# Allegro board HY_SW3518S_V11.brd
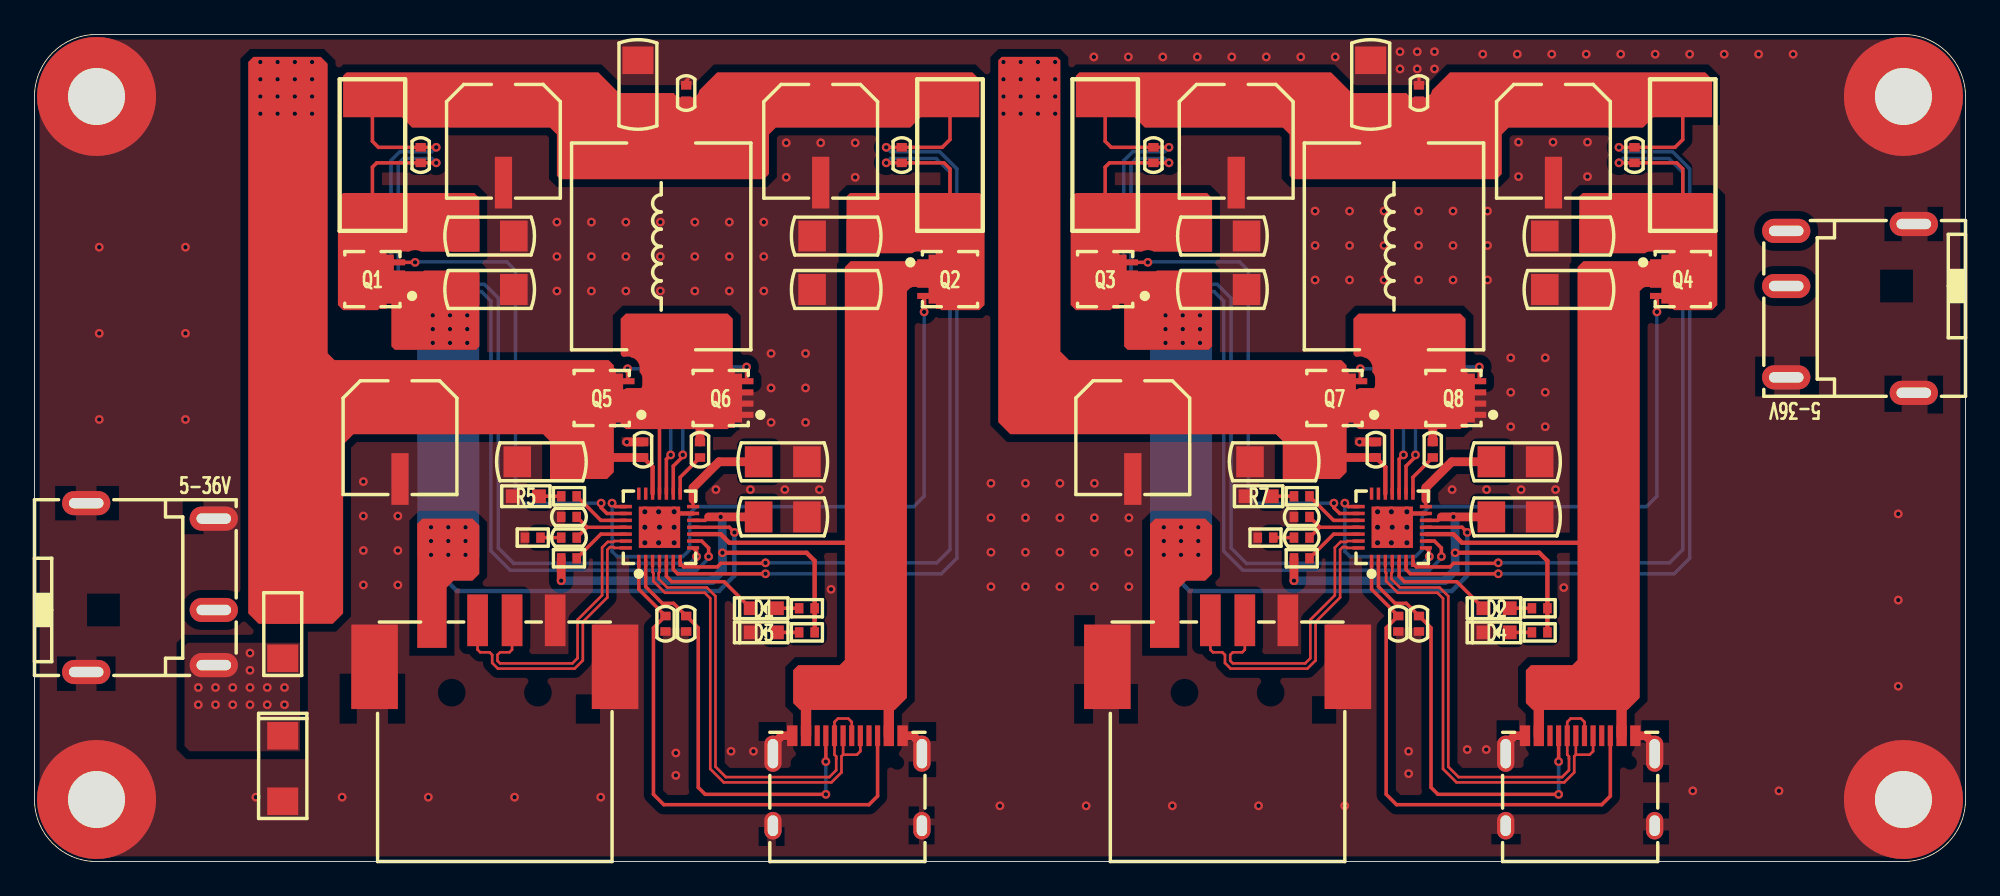
[diagram p0: board, top side]
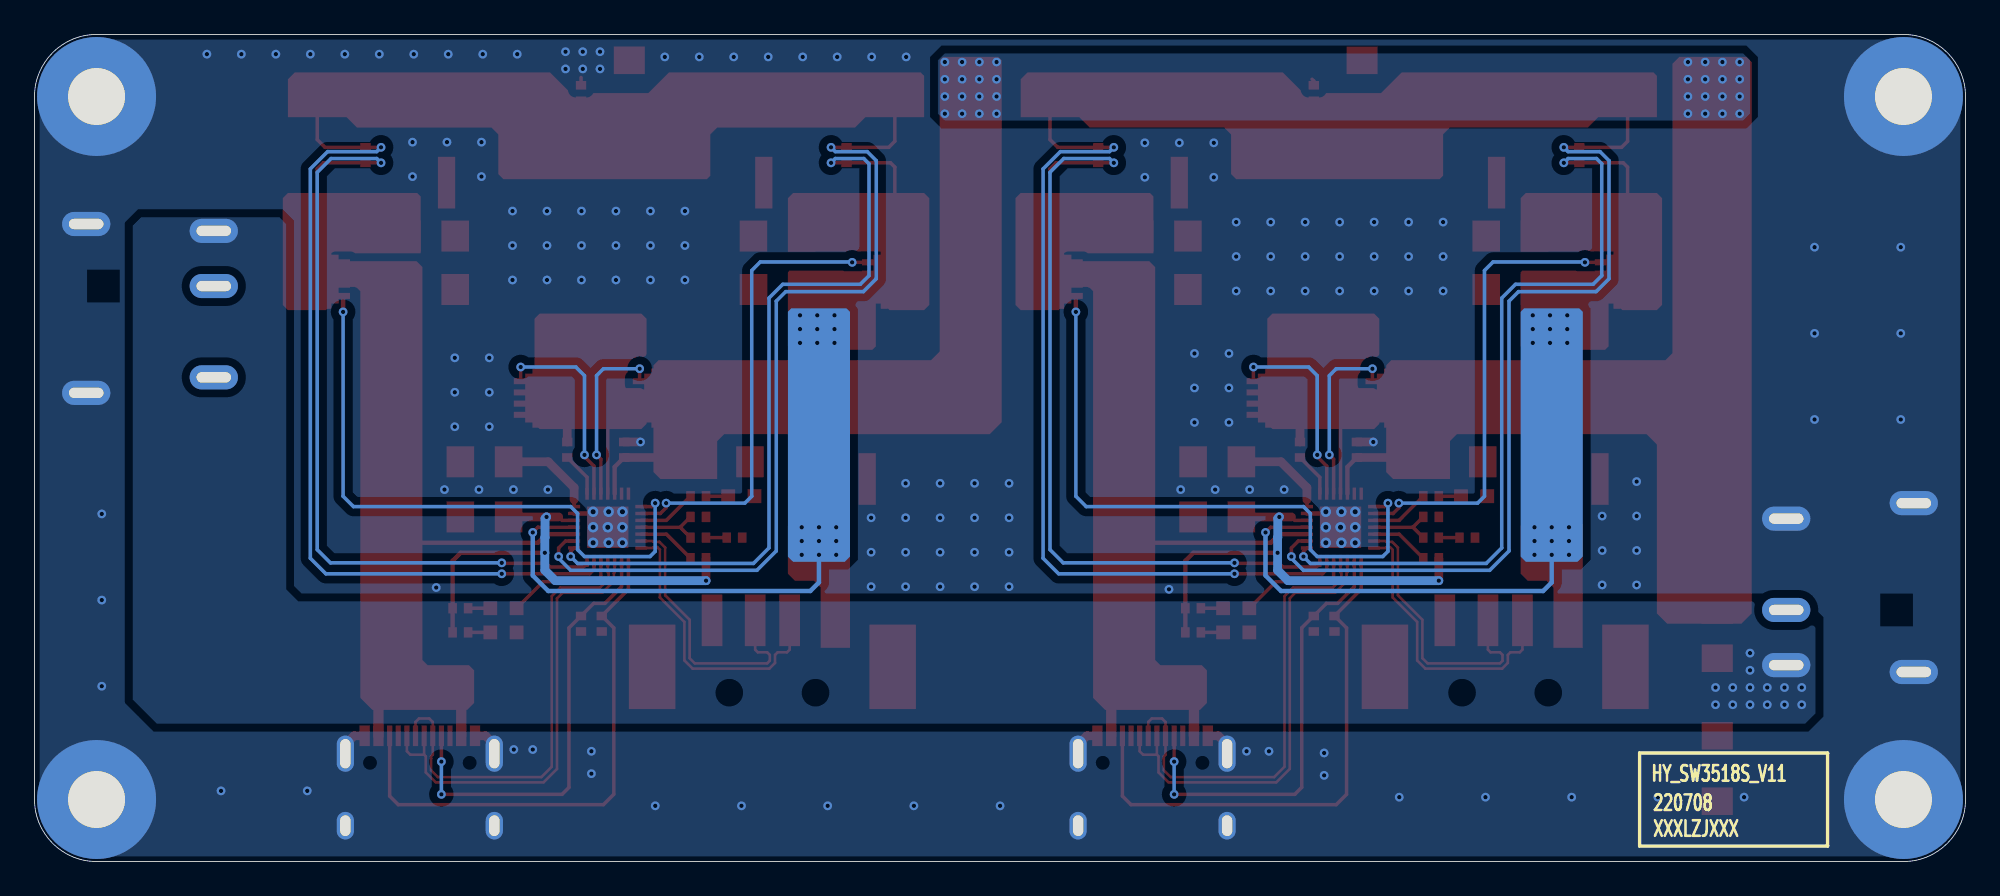
[diagram p1: board, bottom side, seen from below]

Outline 112 x 48 mm; copper layers: TOP, BOTTOM. Coordinates in mm from the lower left corner of the outline.
Outline path: 0,44.4 arc(1.05,46.95) 3.6,48 108.4,48 arc(110.95,46.95) 112,44.4 112,3.6 arc(110.95,1.05) 108.4,0 3.6,0 arc(1.05,1.05) 0,3.6 0,44.4

## Design rules (mm)
constraint set DEFAULT: min track width 0.152, pair gap 0.203
net group DP1: nets 1_DMC 1_DPC
net group DP2: nets 1_DMA 1_DPA

## Placement (name value [footprint] x y rotation side)
C1  10uF_50V  [C1206]  35 45.1 270 top
C2  10uF_50V  [C1206]  77.5 45.1 270 top
C3  100nF_50V  [C0402]  37.8 44.6 270 top
C4  100nF_50V  [C0402]  80.3 44.6 270 top
C5  100uF_25V  [CAP-SMD-6R3X5R8]  27.2 41.8 180 top
C6  100uF_25V  [CAP-SMD-6R3X5R8]  45.6 41.8 180 top
C7  100uF_25V  [CAP-SMD-6R3X5R8]  69.7 41.8 180 top
C8  100uF_25V  [CAP-SMD-6R3X5R8]  88.1 41.8 180 top
C9  100nF_50V  [C0402]  22.4 41 270 top
C10  100nF_50V  [C0402]  50.3 41 270 top
C11  100nF_50V  [C0402]  64.9 41 270 top
C12  100nF_50V  [C0402]  92.8 41 270 top
C13  10uF_50V  [C1206]  26.4 36.3 180 top
C14  10uF_50V  [C1206]  46.5 36.3 0 top
C15  10uF_50V  [C1206]  68.9 36.3 180 top
C16  10uF_50V  [C1206]  89 36.3 0 top
C17  10uF_50V  [C1206]  26.4 33.2 180 top
C18  10uF_50V  [C1206]  46.5 33.2 0 top
C19  10uF_50V  [C1206]  68.9 33.2 180 top
C20  10uF_50V  [C1206]  89 33.2 0 top
C21  100uF_35V  [CAP-SMD-6R3X5R8]  21.2 24.6 180 top
C22  100uF_35V  [CAP-SMD-6R3X5R8]  63.7 24.6 180 top
C23  100nF_50V  [C0402]  35.3 23.9 90 top
C24  100nF_50V  [C0402]  38.6 23.9 90 top
C25  100nF_50V  [C0402]  77.8 23.9 90 top
C26  100nF_50V  [C0402]  81.1 23.9 90 top
C27  10uF_50V  [C1206]  29.4 23.2 180 top
C28  10uF_50V  [C1206]  43.4 23.2 180 top
C29  10uF_50V  [C1206]  71.9 23.2 180 top
C30  10uF_50V  [C1206]  85.9 23.2 180 top
C31  100pF_50V  [C0402]  31 20 0 top
C32  10uF_50V  [C1206]  43.4 20 180 top
C33  100pF_50V  [C0402]  73.5 20 0 top
C34  10uF_50V  [C1206]  85.9 20 180 top
C35  2.2nF_50V  [C0402]  31 18.8 0 top
C36  2.2nF_50V  [C0402]  73.5 18.8 0 top
C37  330pF_50V  [C0402]  36.6 13.8 90 top
C38  330pF_50V  [C0402]  37.8 13.8 90 top
C39  330pF_50V  [C0402]  79.1 13.8 90 top
C40  330pF_50V  [C0402]  80.3 13.8 90 top
D1  LED_GREEN  [LED0603]  42.3 14.7 180 top
D2  LED_GREEN  [LED0603]  84.8 14.7 180 top
D3  LED_GREEN  [LED0603]  42.3 13.3 180 top
D4  LED_GREEN  [LED0603]  84.8 13.3 180 top
D5  SS56F  [SMAF]  14.4 5.4 90 top
F1  0469005.WR  [FUSE1206]  14.4 13.2 90 top
J1  DC-044B-5A-2.0  [DC-044B-5A-2R0]  108 33.4 180 top
J2  DC-044B-5A-2.0  [DC-044B-5A-2R0]  4 14.6 0 top
L1  FXL1040-220-M  [L10040]  36.35 35.7 90 top
L2  FXL1040-220-M  [L10040]  78.85 35.7 90 top
MH1  HOLE-M3/NI  [HOLE6R90X3R40]  3.6 44.4 0 top
MH2  HOLE-M3/NI  [HOLE6R90X3R40]  108.4 44.4 0 top
MH3  HOLE-M3/NI  [HOLE6R90X3R40]  3.6 3.6 0 top
MH4  HOLE-M3/NI  [HOLE6R90X3R40]  108.4 3.6 0 top
NOREF  -  []  0 0 90 top
NOREF#2  -  []  0 0 0 top
NOREF#3  -  []  0 0 0 top
NOREF#4  -  []  0 0 0 top
NOREF#5  -  []  0 0 90 top
NOREF#6  -  []  0 0 90 top
Q1  WSD4070DN  [DFN3X3]  19.6 33.8 90 top
Q2  WSD4070DN  [DFN3X3]  53.1 33.8 270 top
Q3  WSD4070DN  [DFN3X3]  62.1 33.8 90 top
Q4  WSD4070DN  [DFN3X3]  95.6 33.8 270 top
Q5  WSD4070DN  [DFN3X3]  32.9 26.9 90 top
Q6  WSD4070DN  [DFN3X3]  39.8 26.9 90 top
Q7  WSD4070DN  [DFN3X3]  75.4 26.9 90 top
Q8  WSD4070DN  [DFN3X3]  82.3 26.9 90 top
R1  0R005  [R2512]  19.6 41 90 top
R2  0R005  [R2512]  53.1 41 90 top
R3  0R005  [R2512]  62.1 41 90 top
R4  0R005  [R2512]  95.6 41 90 top
R5  NTCG163JF103FT1S  [R0603]  28.5 21.2 180 top
R6  2K  [R0402]  31 21.2 180 top
R7  NTCG163JF103FT1S  [R0603]  71 21.2 180 top
R8  2K  [R0402]  73.5 21.2 180 top
R9  20K  [R0402]  28.9 18.8 180 top
R10  20K  [R0402]  71.4 18.8 180 top
R11  4.7K  [R0402]  31 17.6 0 top
R12  4.7K  [R0402]  73.5 17.6 0 top
R13  4.7K  [R0402]  44.8 14.7 180 top
R14  4.7K  [R0402]  87.3 14.7 180 top
R15  4.7K  [R0402]  44.8 13.3 180 top
R16  4.7K  [R0402]  87.3 13.3 180 top
U1  SW3518S  [QFN28-4X4X0R4-2R4X2R4]  36.25 19.4 0 top
U2  SW3518S  [QFN28-4X4X0R4-2R4X2R4]  78.75 19.4 0 top
USB1  USB-A  [USB-A-SMD]  26.7 13.9 270 top
USB2  USB-A  [USB-A-SMD]  69.2 13.9 270 top
USB3  -  [TYPE-C-31-M-12]  47.15 7.3 0 top
USB4  -  [TYPE-C-31-M-12]  89.65 7.3 0 top

## Library data of the parts
C1-C4 C9-C20 C23-C40 = CAP NP_2
C5-C8 C21 C22 = CAPT_100UF_3528_6r3V_10%_LXXXX
D1-D4 = LED_2
D5 = DIODE13_9
F1 = FUSE
J1 J2 = DC-044B-5A-2.0
L1 L2 = IND_BEAD_0805_600OHM_1
MH1-MH4 = Hold_1
Q1-Q8 = SI4497DY-T1-GE3_2
R1-R4 R6 R8-R16 = R_Generic
R5 R7 = R_Generic_0
U1 U2 = SW3518S_1
USB1 USB2 = USB-A
USB3 USB4 = TYPE-C_16P

## Footprints (pads in the part's own frame, mm; a bottom-side part is the same pattern mirrored in y, then rotated)
C0402
  rect 0.5x0.6 smd: 1(-0.45,0) 2(0.45,0)
C1206
  rect 1.6x1.8 smd: 1(-1.4,0) 2(1.4,0)
CAP-SMD-6R3X5R8
  rect 1x3 smd: 1(0,-2.4) 2(0,2.4)
DC-044B-5A-2R0
  oval 2.8x1.4 hole 2x0.6: 1(-1,6.2) 2(6.4,5.3) 3(6.4,0) 4(6.4,-3.2) 5(-1,-3.6)
DFN3X3
  rect 0.35x0.8 smd: 1(-0.975,-1.5) 2(-0.325,-1.5) 3(0.325,-1.5) 4(0.975,-1.5)
  custom 3.44x2.48 smd: 5(0,0)
FUSE1206
  rect 1.6x1.8 smd: 1(-1.4,0) 2(1.4,0)
HOLE6R90X3R40
  round 6.9 hole 3.3: 1(0,0)
L10040
  rect 2.5x3.5 smd: 1(-5.2,0) 2(5.2,0)
LED0603
  rect 0.8x0.8 smd: 1(-0.762,0) 2(0.762,0)
QFN28-4X4X0R4-2R4X2R4
  rect 0.2x0.7 smd: 1(-1.2,-1.95) 2(-0.8,-1.95) 3(-0.4,-1.95) 4(0,-1.95) 5(0.4,-1.95) 6(0.8,-1.95) 7(1.2,-1.95) 15(1.2,1.95) 16(0.8,1.95) 17(0.4,1.95) 18(0,1.95) 19(-0.4,1.95) 20(-0.8,1.95) 21(-1.2,1.95)
  rect 0.7x0.2 smd: 8(1.95,-1.2) 9(1.95,-0.8) 10(1.95,-0.4) 11(1.95,0) 12(1.95,0.4) 13(1.95,0.8) 14(1.95,1.2) 22(-1.95,1.2) 23(-1.95,0.8) 24(-1.95,0.4) 25(-1.95,0) 26(-1.95,-0.4) 27(-1.95,-0.8) 28(-1.95,-1.2)
  rect 2.4x2.4 smd: 29(0,0)
R0402
  rect 0.5x0.6 smd: 1(-0.45,0) 2(0.45,0)
R0603
  rect 0.8x0.8 smd: 1(-0.762,0) 2(0.762,0)
R2512
  rect 1.8x3.2 smd: 1(-3.2,0) 2(3.2,0)
SMAF
  rect 1.6x1.8 smd: 1(-1.9,0) 2(1.9,0)
TYPE-C-31-M-12
  rect 0.6x1.2 smd: 1(-3.2,0) 2(-2.4,0) 11(2.4,0) 12(3.2,0)
  rect 0.3x1.2 smd: 3(-1.75,0) 4(-1.25,0) 5(-0.75,0) 6(-0.25,0) 7(0.25,0) 8(0.75,0) 9(1.25,0) 10(1.75,0)
  oval 1x2.1 hole 0.6x1.7: 13(-4.32,-1.04) 14(4.32,-1.04)
  oval 1x1.6 hole 0.6x1.2: 15(-4.32,-5.22) 16(4.32,-5.22)
USB-A-SMD
  rect 3x1.2 smd: 1(-0.1,-3.5) 2(-0.1,-1) 3(-0.1,1) 4(-0.1,3.5)
  rect 4.9x2.7 smd: 5(2.6,-6.975) 6(2.6,6.975)

## Nets
GND: C1.1 C2.1 C3.1 C4.1 C5.2 C6.2 C7.2 C8.2 C13.1 C14.1 C15.1 C16.1 C17.1 C18.1 C19.1 C20.1 C21.2 C22.2 C23.2 C25.2 C27.2 C28.1 C29.2 C30.1 C31.1 C32.1 C33.1 C34.1 C37.1 C38.1 C39.1 C40.1 D3.2(CATHODE) D4.2(CATHODE) D5.1 J1.1 J1.2 J1.5 J2.1 J2.2 J2.5 MH1.1 MH2.1 MH3.1 MH4.1 Q6.1 Q6.2 Q6.3(S3) Q8.1 Q8.2 Q8.3(S3) R5.2 R7.2 R9.2 R10.2 U1.13 U1.29 U2.13 U2.29 USB1.4 USB1.5 USB1.6 USB2.4 USB2.5 USB2.6 USB3.1 USB3.12 USB3.13 USB3.14 USB3.15 USB3.16 USB4.1 USB4.12 USB4.13 USB4.14 USB4.15 USB4.16
VCC_VIN: D5.2(ANODE_2) F1.1 J1.4 J2.4
VIN: C21.1 C22.1 C23.1 C25.1 C27.1 C29.1 F1.2 Q5.5 Q7.5 U1.19(VIN) U2.19(VIN)
1_CC1: C38.2 U1.2 USB3.4
1_CC2: C37.2 U1.1 USB3.10
1_CSNA: C9.2 C13.2 Q1.5 R1.1 U1.8
1_CSNC: C10.2 C14.2 Q2.5 R2.1 U1.7
1_DMA: U1.28 USB1.2
1_DMC: U1.4 USB3.5 USB3.7
1_DPA: U1.27 USB1.3
1_DPC: U1.3 USB3.6 USB3.8
1_GATEA: Q1.4 U1.23
1_GATEC: Q2.4 U1.22
1_HGATE: Q5.4 U1.17
1_IDA: R11.2 U1.26
1_LGATE: Q6.4 U1.16
1_VDD: C32.2 R11.1 R13.1 R15.1 U1.12
1_VOUT: C1.2 C3.2 C5.1 C6.1 C9.1 C10.1 L1.2(B) R1.2 R2.2 U1.6 U1.9
1_VOUT1: C17.2 Q1.1 Q1.2 Q1.3(S3) U1.11 USB1.1(VBUS)
1_VOUT2: C18.2 Q2.1 Q2.2 Q2.3(S3) U1.10 USB3.2 USB3.11(VBUS2)
2_CC1: C40.2 U2.2 USB4.4
2_CC2: C39.2 U2.1 USB4.10
2_CSNA: C11.2 C15.2 Q3.5 R3.1 U2.8
2_CSNC: C12.2 C16.2 Q4.5 R4.1 U2.7
2_DMA: U2.28 USB2.2
2_DMC: U2.4 USB4.5 USB4.7
2_DPA: U2.27 USB2.3
2_DPC: U2.3 USB4.6 USB4.8
2_GATEA: Q3.4 U2.23
2_GATEC: Q4.4 U2.22
2_HGATE: Q7.4 U2.17
2_IDA: R12.2 U2.26
2_LGATE: Q8.4 U2.16
2_VDD: C34.2 R12.1 R14.1 R16.1 U2.12
2_VOUT: C2.2 C4.2 C7.1 C8.1 C11.1 C12.1 L2.2(B) R3.2 R4.2 U2.6 U2.9
2_VOUT1: C19.2 Q3.1 Q3.2 Q3.3(S3) U2.11 USB2.1(VBUS)
2_VOUT2: C20.2 Q4.1 Q4.2 Q4.3(S3) U2.10 USB4.2 USB4.11(VBUS2)
N17558621: D1.1 R13.2
N17558623: D1.2(CATHODE) U1.5
N17567967: C28.2 U1.14
N17568286: C24.1 U1.15
N17568309: C24.2 L1.1 Q5.1 Q5.2 Q5.3(S3) Q6.5 U1.18
N17570446: C31.2 C35.2 U1.25
N17571182: D3.1 R15.2
N17571361: R6.1 U1.24
N17571370: R5.1 R6.2
N17583390: R7.1 R8.2
N17583392: C33.2 C36.2 U2.25
N17583509: R8.1 U2.24
N17583777: C26.2 L2.1 Q7.1 Q7.2 Q7.3(S3) Q8.5 U2.18
N17583899: D2.1 R14.2
N17583901: D2.2(CATHODE) U2.5
N17583968: C26.1 U2.15
N17584041: D4.1 R16.2
N17584091: C30.2 U2.14
N175703550: C35.1 R9.1
N175833460: C36.1 R10.1

Pads without a net: J1 3; J2 3; U1 20 21; U2 20 21; USB3 3 9; USB4 3 9

## Via types
v1: diameter 0.508, hole 0.254, TOP to BOTTOM, 278 vias
v2: diameter 0.61, hole 0.305, TOP to BOTTOM, 18 vias

## Routing (per net, layer and track width the routed paths; a pad name or vN(x,y) marks a point on that pad's centre or on a via; arc(x,y) is an arc through that point)
GND: length 12.5
  TOP w0.203: 37.9,45.4 37.8,45.3 C3.1 ; C4.1 80.3,45.5
  TOP w0.254: v2(79.6,20.3) 79.7,20.2 U2.13 ; v2(37.1,20.3) 37.2,20.2 U1.13
  TOP w0.508: C23.2 v1(34.35,24.35) ; USB4.1 85.84,7.3 85.33,6.79 USB4.13 ; USB4.12 93.46,7.3 93.97,6.79 USB4.14 ; USB3.13 42.83,6.79 43.34,7.3 USB3.1 ; C25.2 v1(76.85,24.35) ; USB3.14 51.47,6.79 50.96,7.3 USB3.12
  vias: v1(3.76,35.65) v1(3.76,30.65) v1(3.76,25.65) v1(8.76,35.65) v1(8.76,30.65) v1(8.76,25.65) v1(12.84,3.74) v1(17.84,3.74) v1(19.08,22.05) v1(19.08,20.05) v1(19.08,18.05) v1(19.08,16.05) v1(21.08,20.05) v1(21.08,18.05) v1(21.08,16.05) v1(22.84,3.74) v1(27.84,3.74) v1(30.3,37.11) v1(30.3,35.11) v1(30.3,33.11) v1(32.3,37.11) v1(32.3,35.11) v1(32.3,33.11) v1(32.84,3.74) v1(34.3,37.11) v1(34.3,35.11) v1(34.3,33.11) v1(36.3,37.11) v1(36.3,35.11) v1(36.3,33.11) v1(37.2,6.3) v1(37.2,5) v1(38.3,37.11) v1(38.3,35.11) v1(38.3,33.11) v1(39.52,21.59) v1(40.3,37.11) v1(40.3,35.11) v1(40.3,33.11) v1(40.4,6.4) v1(41.52,21.59) v1(41.7,6.4) v1(42.3,37.11) v1(42.3,35.11) v1(42.3,33.11) v1(42.72,29.49) v1(42.72,27.49) v1(42.72,25.49) v1(43.52,21.59) v1(43.6,41.71) v1(43.6,39.71) v1(44.72,29.49) v1(44.72,27.49) v1(44.72,25.49) v1(45.52,21.59) v1(45.6,41.71) v1(46.2,15.8) v1(47.6,41.71) v1(47.6,39.71) v1(55.48,21.95) v1(55.48,19.95) v1(55.48,17.95) v1(55.48,15.95) v1(56,3.23) v1(57.48,21.95) v1(57.48,19.95) v1(57.48,17.95) v1(57.48,15.95) v1(59.48,21.95) v1(59.48,19.95) v1(59.48,17.95) v1(59.48,15.95) v1(61,3.23) v1(61.44,46.7) v1(61.48,21.95) v1(61.48,19.95) v1(61.48,17.95) v1(61.48,15.95) v1(63.44,46.7) v1(63.48,19.95) v1(63.48,17.95) v1(63.48,15.95) v1(65.44,46.7) v1(66,3.23) v1(67.44,46.7) v1(69.44,46.7) v1(71,3.23) v1(71.44,46.7) v1(73.44,46.7) v1(74.28,37.75) v1(74.28,35.75) v1(74.28,33.75) v1(75.44,46.7) v1(76,3.23) v1(76.28,37.75) v1(76.28,35.75) v1(76.28,33.75) v1(78.28,37.75) v1(78.28,35.75) v1(78.28,33.75) v1(79.2,47) v1(79.2,46) v1(79.7,6.4) v1(79.7,5.1) v1(80.2,47) v1(80.2,46) v1(80.28,37.75) v1(80.28,35.75) v1(80.28,33.75) v1(81.2,47) v1(81.2,46) v1(82.22,21.59) v1(82.28,37.75) v1(82.28,35.75) v1(82.28,33.75) v1(83.1,6.5) v1(84,46.86) v1(84.22,21.59) v1(84.2,6.5) v1(84.28,37.75) v1(84.28,35.75) v1(84.28,33.75) v1(85.62,29.23) v1(85.62,27.23) v1(85.62,25.23) v1(86,46.86) v1(86.08,41.75) v1(86.08,39.75) v1(86.22,21.59) v1(87.62,29.23) v1(87.62,27.23) v1(87.62,25.23) v1(88,46.86) v1(88.08,41.75) v1(88.22,21.59) v1(88.7,15.9) v1(90,46.86) v1(90.08,41.75) v1(90.08,39.75) v1(92,46.86) v1(94,46.86) v1(96,46.86) v1(96.18,4.1) v1(98,46.86) v1(100,46.86) v1(101.18,4.1) v1(102,46.86) v1(108.1,20.17) v1(108.1,15.17) v1(108.1,10.17) v2(35.4,20.3) v2(35.4,19.4) v2(35.4,18.5) v2(36.2,20.3) v2(36.25,19.4) v2(36.2,18.5) v2(37.1,19.4) v2(37.1,18.5) v2(77.9,20.3) v2(77.9,19.4) v2(77.9,18.5) v2(78.7,20.3) v2(78.7,18.5) v2(78.75,19.4) v2(79.6,19.4) v2(79.6,18.5)
VCC_VIN:
  vias: v1(9.5,10.1) v1(9.5,9.1) v1(10.5,10.1) v1(10.5,9.1) v1(11.5,10.1) v1(11.5,9.1) v1(12.5,12.1) v1(12.5,11.1) v1(12.5,10.1) v1(12.5,9.1) v1(13.5,10.1) v1(13.5,9.1) v1(14.5,10.1) v1(14.5,9.1)
VIN: length 8.5
  TOP w0.254: C25.1 78.35,22.9 U2.19 ; U1.19 35.85,22.9 C23.1
  TOP w0.508: C25.1 75.95,23.45 75.9,23.4 ; 33.4,23.4 33.45,23.45 C23.1
  vias: v1(13.1,46.4) v1(13.1,45.4) v1(13.1,44.4) v1(13.1,43.4) v1(14.1,46.4) v1(14.1,45.4) v1(14.1,44.4) v1(14.1,43.4) v1(15.1,46.4) v1(15.1,45.4) v1(15.1,44.4) v1(15.1,43.4) v1(16.1,46.4) v1(16.1,45.4) v1(16.1,44.4) v1(16.1,43.4) v1(56.2,46.4) v1(56.2,45.4) v1(56.2,44.4) v1(56.2,43.4) v1(57.2,46.4) v1(57.2,45.4) v1(57.2,44.4) v1(57.2,43.4) v1(58.2,46.4) v1(58.2,45.4) v1(58.2,44.4) v1(58.2,43.4) v1(59.2,46.4) v1(59.2,45.4) v1(59.2,44.4) v1(59.2,43.4)
1_CC1: length 25.8
  TOP w0.203: U1.2 35.45,15.95 36.42,14.98 37.07,14.98 C38.2 37.81,14.25 38.5,13.56 38.5,4.3 38.9,3.9 v1(45.9,3.9) ; v1(45.9,5.8) USB3.4
  BOTTOM w0.203: v1(45.9,3.9) v1(45.9,5.8)
1_CC2: length 31.4
  TOP w0.203: USB3.10 48.9,3.8 48.4,3.3 36.5,3.3 35.9,3.9 35.9,13.56 36.59,14.25 C37.2 35.05,15.8 U1.1
1_CSNA: length 48.7
  TOP w0.203: v1(23.3,40.55) C9.2 19.85,40.55 19.6,40.3 R1.1 ; v1(38.4,17.7) 38.4,18 U1.8
  BOTTOM w0.203: v1(23.3,40.55) 23.05,40.8 21.4,40.8 21.1,40.5 21.1,34 21.6,33.5 26.1,33.5 26.9,32.7 26.9,18.2 27.8,17.3 38,17.3 v1(38.4,17.7)
1_CSNC: length 48.6
  TOP w0.203: R2.1 53.1,40.2 52.75,40.55 C10.2 v1(49.4,40.55) ; U1.7 37.45,17.3 37.65,17.1 39.6,17.1 39.81,17.31 42.37,17.31 v1(42.4,17.34)
  BOTTOM w0.203: v1(42.4,17.34) 52.34,17.34 53.1,18.1 53.1,40 52.3,40.8 49.65,40.8 v1(49.4,40.55)
1_DMA: length 16.9
  TOP w0.152: U1.28 33.64,18.2 33.59,18.25 33.38,18.25 33.23,18.1 33.23,15.33 31.8,13.9 31.8,11.67 31.33,11.2 26.88,11.2 26.55,11.53 26.55,11.99 26.4,12.14 25.85,12.14 25.7,12.3 USB1.2
1_DMC: length 26.9
  TOP w0.152: USB3.7 47.4,8.1 47.2,8.3 46.6,8.3 46.4,8.1 USB3.5 46.4,6.2 46.5,6.1 46.5,5.97 46.5,5.3 46.1,4.9 40.1,4.9 39.5,5.5 39.5,15.4 39,15.9 36.7,15.9 36.2,16.4 36.2,16.74 36.25,16.79 U1.4
1_DPA: length 16.4
  TOP w0.152: USB1.3 27.7,12.3 27.55,12.14 27,12.14 26.85,11.99 26.85,11.65 27,11.5 31.2,11.5 31.5,11.8 31.5,14.03 32.92,15.45 32.92,18.22 33.25,18.55 33.59,18.55 33.64,18.6 U1.27
1_DPC: length 27.1
  TOP w0.152: 46.9,6.2 USB3.6 ; 46.9,6.2 46.8,6.1 46.8,5.17 46.23,4.6 39.97,4.6 39.2,5.37 39.2,15.27 38.87,15.6 36.57,15.6 35.9,16.27 35.9,16.74 35.85,16.79 U1.3 ; 46.9,6.2 47.7,6.2 47.9,6.4 USB3.8
1_GATEA: length 27.1
  TOP w0.203: U1.23 33.2,20.2 32.87,20.54 v1(32.87,20.8) ; Q1.4 v1(22.07,34.77)
  BOTTOM w0.203: v1(32.87,20.8) 28.3,20.8 27.9,21.2 27.9,34.3 27.4,34.8 22.1,34.8 v1(22.07,34.77)
1_GATEC: length 36.2
  TOP w0.203: U1.22 33.7,20.6 v1(33.5,20.8)
  TOP w0.254: Q2.4 v1(51.6,31.9)
  BOTTOM w0.203: v1(33.5,20.8) 33.5,18 33.8,17.7 37.6,17.7 38,18.1 38,20.2 38.4,20.6 51,20.6 51.6,21.2 v1(51.6,31.9)
1_HGATE: length 10.3
  TOP w0.203: U1.17 36.65,23.35 v1(36.9,23.6) ; Q5.4 v1(34.4,28.6)
  BOTTOM w0.203: v1(34.4,28.6) 36.5,28.6 36.9,28.2 v1(36.9,23.6)
1_IDA: length 3.4
  TOP w0.203: R11.2 32.85,19 U1.26
1_LGATE: length 11.8
  TOP w0.203: Q6.4 v1(41.3,28.7) ; v1(37.6,23.6) 37.6,23.5 37.05,22.95 U1.16
  BOTTOM w0.203: v1(41.3,28.7) 38.1,28.7 37.6,28.2 v1(37.6,23.6)
1_VDD: length 27.6
  TOP w0.203: U1.12 38.9,19.8 39.1,20
  TOP w0.254: R15.1 R13.1 45.25,17.45 44.78,17.92 v1(39.9,17.92)
  TOP w0.508: C32.2 v1(39.8,20) 39.1,20 ; v1(30.55,16.3) R11.1
  BOTTOM w0.508: v1(30.55,16.3) 39.29,16.3 39.9,16.91 v1(39.9,17.92) 39.9,18.79 39.89,18.81 39.89,19.91 v1(39.8,20)
1_VOUT: length 102.8
  TOP w0.203: v1(23.3,41.45) C9.1 19.95,41.45 19.6,41.8 R1.2 ; R2.2 53.1,41.9 52.65,41.45 C10.1 v1(49.4,41.45) ; U1.9 38.7,18.6 39.1,18.2 v1(39.1,17.7) ; v1(42.4,16.7) 37.3,16.7 37.05,16.95 U1.6
  BOTTOM w0.203: v1(42.4,16.7) 52.6,16.7 53.5,17.6 53.5,40.2 52.5,41.2 49.65,41.2 v1(49.4,41.45) ; v1(23.3,41.45) 23.05,41.2 21.2,41.2 20.68,40.68 20.68,33.82 21.42,33.08 25.92,33.08 26.48,32.52 26.48,18.02 27.6,16.9 38.4,16.9 39.1,17.6 v1(39.1,17.7)
1_VOUT1: length 25.4
  TOP w0.203: v1(40.6,19.1) 40.3,19.4 U1.11
  TOP w0.254: 22.7,34.1 22.68,34.12 Q1.3
  BOTTOM w0.254: v1(24,17.8) 24,16.2 24.5,15.7 39.7,15.7 40.6,16.6 v1(40.6,19.1)
  vias: v1(23,19.4) v1(23,18.6) v1(23,17.8) v1(23.1,31.7) v1(23.1,30.9) v1(23.1,30.1) v1(24,19.4) v1(24,18.6) v1(24.1,31.7) v1(24.1,30.9) v1(24.1,30.1) v1(25,19.4) v1(25,18.6) v1(25,17.8) v1(25.1,31.7) v1(25.1,30.9) v1(25.1,30.1)
1_VOUT2: length 13.9
  TOP w0.254: 47.1,18.5 40.3,18.5 39.8,19 U1.10 ; 50.5,33.4 50.58,33.48 51.6,33.48
  TOP w0.6: 44.8,9.1 44.75,9.05 USB3.2 ; USB3.11 49.55,9.05 49.6,9.1
2_CC1: length 25.8
  TOP w0.203: v1(88.4,3.9) 81.4,3.9 81,4.3 81,13.56 80.31,14.25 C40.2 79.57,14.98 78.92,14.98 77.95,15.95 U2.2 ; v1(88.4,5.8) USB4.4
  BOTTOM w0.203: v1(88.4,3.9) v1(88.4,5.8)
2_CC2: length 31.4
  TOP w0.203: U2.1 77.55,15.8 C39.2 79.09,14.25 78.4,13.56 78.4,3.9 79,3.3 90.9,3.3 91.4,3.8 USB4.10
2_CSNA: length 48.7
  TOP w0.203: v1(80.9,17.7) 80.9,18 U2.8 ; R3.1 62.1,40.3 62.35,40.55 C11.2 v1(65.8,40.55)
  BOTTOM w0.203: v1(80.9,17.7) 80.5,17.3 70.3,17.3 69.4,18.2 69.4,32.7 68.6,33.5 64.1,33.5 63.6,34 63.6,40.5 63.9,40.8 65.55,40.8 v1(65.8,40.55)
2_CSNC: length 48.6
  TOP w0.203: U2.7 79.95,17.3 80.15,17.1 82.1,17.1 82.31,17.31 84.87,17.31 v1(84.9,17.34) ; v1(91.9,40.55) C12.2 95.25,40.55 95.6,40.2 R4.1
  BOTTOM w0.203: v1(84.9,17.34) 94.83,17.34 95.6,18.1 95.6,40 94.8,40.8 92.15,40.8 v1(91.9,40.55)
2_DMA: length 16.9
  TOP w0.152: U2.28 76.14,18.2 76.09,18.25 75.88,18.25 75.73,18.1 75.73,15.33 74.3,13.9 74.3,11.67 73.83,11.2 69.38,11.2 69.05,11.53 69.05,11.99 68.9,12.14 68.35,12.14 68.2,12.3 USB2.2
2_DMC: length 26.9
  TOP w0.152: U2.4 78.75,16.79 78.7,16.74 78.7,16.4 79.2,15.9 81.5,15.9 82,15.4 82,5.5 82.6,4.9 88.6,4.9 89,5.3 89,5.97 89,6.1 88.9,6.2 USB4.5 88.9,8.1 89.1,8.3 89.7,8.3 89.9,8.1 USB4.7
2_DPA: length 16.4
  TOP w0.152: U2.27 76.14,18.6 76.09,18.55 75.75,18.55 75.42,18.22 75.42,15.45 74,14.03 74,11.8 73.7,11.5 69.5,11.5 69.35,11.65 69.35,11.99 69.5,12.14 70.05,12.14 70.2,12.3 USB2.3
2_DPC: length 27.1
  TOP w0.152: U2.3 78.35,16.79 78.4,16.74 78.4,16.27 79.07,15.6 81.37,15.6 81.7,15.27 81.7,5.37 82.47,4.6 88.73,4.6 89.3,5.17 89.3,6.1 89.4,6.2 ; 89.4,6.2 90.2,6.2 90.4,6.4 USB4.8 ; 89.4,6.2 USB4.6
2_GATEA: length 27.1
  TOP w0.203: Q3.4 v1(64.58,34.77) ; U2.23 75.7,20.2 75.36,20.54 v1(75.36,20.8)
  BOTTOM w0.203: v1(75.36,20.8) 70.8,20.8 70.4,21.2 70.4,34.3 69.9,34.8 64.6,34.8 v1(64.58,34.77)
2_GATEC: length 36.2
  TOP w0.203: U2.22 76.2,20.6 v1(76,20.8)
  TOP w0.254: Q4.4 v1(94.1,31.9)
  BOTTOM w0.203: v1(94.1,31.9) 94.1,21.2 93.5,20.6 80.9,20.6 80.5,20.2 80.5,18.1 80.1,17.7 76.3,17.7 76,18 v1(76,20.8)
2_HGATE: length 10.3
  TOP w0.203: U2.17 79.15,23.35 v1(79.4,23.6) ; Q7.4 v1(76.9,28.6)
  BOTTOM w0.203: v1(79.4,23.6) 79.4,28.2 79,28.6 v1(76.9,28.6)
2_IDA: length 3.4
  TOP w0.203: R12.2 75.35,19 U2.26
2_LGATE: length 11.8
  TOP w0.203: Q8.4 v1(83.8,28.7) ; v1(80.1,23.6) 80.1,23.5 79.55,22.95 U2.16
  BOTTOM w0.203: v1(80.1,23.6) 80.1,28.2 80.6,28.7 v1(83.8,28.7)
2_VDD: length 27.6
  TOP w0.203: 81.6,20 81.4,19.8 U2.12
  TOP w0.254: v1(82.4,17.92) 87.28,17.92 87.75,17.45 R14.1 R16.1
  TOP w0.508: v1(73.05,16.3) R12.1 ; 81.6,20 v1(82.3,20) C34.2
  BOTTOM w0.508: v1(73.05,16.3) 81.79,16.3 82.4,16.91 v1(82.4,17.92) 82.4,18.79 82.39,18.81 82.39,19.91 v1(82.3,20)
2_VOUT: length 102.8
  TOP w0.203: v1(81.6,17.7) 81.6,18.2 81.2,18.6 U2.9 ; R4.2 95.6,41.9 95.15,41.45 C12.1 v1(91.9,41.45) ; R3.2 62.1,41.8 62.45,41.45 C11.1 v1(65.8,41.45) ; v1(84.9,16.7) 79.8,16.7 79.55,16.95 U2.6
  BOTTOM w0.203: v1(65.8,41.45) 65.55,41.2 63.7,41.2 63.18,40.68 63.18,33.82 63.92,33.08 68.42,33.08 68.98,32.52 68.98,18.02 70.1,16.9 80.9,16.9 81.6,17.6 v1(81.6,17.7) ; v1(91.9,41.45) 92.15,41.2 95,41.2 96,40.2 96,17.6 95.1,16.7 v1(84.9,16.7)
2_VOUT1: length 25.4
  TOP w0.203: v1(83.1,19.1) 82.8,19.4 U2.11
  TOP w0.254: Q3.3 65.17,34.12 65.2,34.1
  BOTTOM w0.254: v1(66.5,17.8) 66.5,16.2 67,15.7 82.2,15.7 83.1,16.6 v1(83.1,19.1)
  vias: v1(65.5,19.4) v1(65.5,18.6) v1(65.5,17.8) v1(65.6,31.7) v1(65.6,30.9) v1(65.6,30.1) v1(66.5,19.4) v1(66.5,18.6) v1(66.6,31.7) v1(66.6,30.9) v1(66.6,30.1) v1(67.5,19.4) v1(67.5,18.6) v1(67.5,17.8) v1(67.6,31.7) v1(67.6,30.9) v1(67.6,30.1)
2_VOUT2: length 13.9
  TOP w0.254: 89.6,18.5 82.8,18.5 82.3,19 U2.10 ; 94.1,33.48 93.08,33.48 93,33.4
  TOP w0.6: 87.3,9.1 87.25,9.05 USB4.2 ; 92.1,9.1 92.05,9.05 USB4.11
N17558621: length 1.3
  TOP w0.203: D1.1 R13.2
N17558623: length 6.6
  TOP w0.203: D1.2 40,16.24 36.96,16.24 36.65,16.55 U1.5
N17567967: length 5.5
  TOP w0.203: U1.14 38.2,21
  TOP w0.508: 38.2,21 38.2,21.7 39.7,23.2 C28.2
N17568286: length 2.6
  TOP w0.203: C24.1 37.45,22.3 U1.15
N17568309: length 8
  TOP w0.203: 36.3,25.3 36.25,25.25 U1.18
  TOP w0.508: Q5.3 35.33,27.23 35.4,27.3 ; C24.2 38.6,25.7 Q6.5
N17570446: length 3.9
  TOP w0.203: U1.25 32.05,19.4 ; 32.05,19.4 C31.2 ; 32.05,19.4 C35.2
N17571182: length 1.3
  TOP w0.203: D3.1 R15.2
N17571361: length 3.4
  TOP w0.203: U1.24 32.85,19.8 R6.1
N17571370: length 1.3
  TOP w0.203: R6.2 R5.1
N17583390: length 1.3
  TOP w0.203: R8.2 R7.1
N17583392: length 3.9
  TOP w0.203: C33.2 74.55,19.4 ; 74.55,19.4 C36.2 ; 74.55,19.4 U2.25
N17583509: length 3.4
  TOP w0.203: U2.24 75.35,19.8 R8.1
N17583777: length 8
  TOP w0.203: 78.8,25.3 78.75,25.25 U2.18
  TOP w0.508: C26.2 81.1,25.7 Q8.5 ; Q7.3 77.83,27.23 77.9,27.3
N17583899: length 1.3
  TOP w0.203: D2.1 R14.2
N17583901: length 6.6
  TOP w0.203: D2.2 82.5,16.24 79.46,16.24 79.15,16.55 U2.5
N17583968: length 2.6
  TOP w0.203: U2.15 79.95,22.3 C26.1
N17584041: length 1.3
  TOP w0.203: D4.1 R16.2
N17584091: length 5.5
  TOP w0.203: U2.14 80.7,21
  TOP w0.508: 80.7,21 80.7,21.7 82.2,23.2 C30.2
N175703550: length 1.2
  TOP w0.203: R9.1 C35.1
N175833460: length 1.2
  TOP w0.203: R10.1 C36.1

## Copper pours and planes (outline as drawn; the poured copper is in the pictures)
GND on TOP: 111.7,3.6 110.73,1.27 108.4,0.3 3.6,0.3 1.27,1.27 0.3,3.6 0.3,44.4 1.27,46.73 3.6,47.7 108.4,47.7 110.73,46.73 111.7,44.4 ; 50 cut-outs
GND on BOTTOM: 111.7,3.6 110.73,1.27 108.4,0.3 3.6,0.3 1.27,1.27 0.3,3.6 0.3,44.4 1.27,46.73 3.6,47.7 108.4,47.7 110.73,46.73 111.7,44.4 ; 8 cut-outs
VCC_VIN on TOP: 15.4,12.7 15.4,6.4 9,6.4 8.7,6.7 8.7,12.5 8.9,12.7
VCC_VIN on BOTTOM: 8.7,8.6 8.7,14 9.8,15.1 96.7,15.1 97.4,15.8 97.4,37 97.8,37.4 105.8,37.4 106.3,36.9 106.3,9.4 104.9,8 9.3,8
VIN on TOP (solid shape): 59.5,46.5 59.5,29.6 60,29.1 75.8,29.1 76.1,28.8 76.1,22.6 75.7,22.2 72.4,22.2 72.4,24.4 72,24.8 56.6,24.8 55.9,25.5 55.9,46.5 56.1,46.7 59.3,46.7
VIN on TOP (solid shape): 17,46.3 17,29.5 17.4,29.1 33.3,29.1 33.6,28.8 33.6,22.6 33.2,22.2 29.9,22.2 29.9,24.4 29.5,24.8 18.5,24.8 17.9,24.2 17.9,14.4 17.3,13.8 13,13.8 12.4,14.4 12.4,46.4 12.7,46.7 16.6,46.7
VIN on BOTTOM: 12.9,46.9 59.2,46.9 59.6,46.5 59.6,43.4 59.2,43 12.9,43 12.5,43.4 12.5,46.5
(no net) on TOP: 63.2,34.3 68.2,34.3 68.3,34.2 68.3,29.9 68.1,29.7 63.4,29.7 63.2,29.9
(no net) on TOP: 47.5,35 52,35 52,33.3 50.8,33.3 50.6,33.1 50.6,9.5 49.9,8.8 44.4,8.8 44,9.2 44,11.1 44.3,11.4 46.7,11.4 47,11.7 47,34.5
(no net) on TOP: 76.5,31.5 76.5,25.4 76.8,25.1 82.7,25.1 83,25.4 83,31.5 82.7,31.8 76.8,31.8
(no net) on TOP: 72,24.8 56.6,24.8 55.9,25.5 55.9,46.5 56.1,46.7 59.3,46.7 59.5,46.5 59.5,29.6 60,29.1 75.8,29.1 76.1,28.8 76.1,22.6 75.7,22.2 72.4,22.2 72.4,24.4
(no net) on TOP: 17.4,29.1 33.3,29.1 33.6,28.8 33.6,22.6 33.2,22.2 29.9,22.2 29.9,24.4 29.5,24.8 18.5,24.8 17.9,24.2 17.9,14.4 17.3,13.8 13,13.8 12.4,14.4 12.4,46.4 12.7,46.7 16.6,46.7 17,46.3 17,29.5
(no net) on TOP: 23.9,12.4 23.9,15.9 24.3,16.3 25.4,16.3 25.8,16.7 25.8,19.5 25.4,19.9 22.5,19.9 22.2,19.6 22.2,12.4
(no net) on TOP: 60.4,38.8 68,38.8 68.3,38.5 68.3,35.4 62.9,35.4 62.7,35.2 62.7,32.3 62.4,32 60.4,32 60.1,32.3 60.1,38.5
(no net) on TOP: 84.8,39.6 73,39.6 72.8,39.8 72.8,42.2 72.4,42.6 64.4,42.6 63.8,43.2 60.4,43.2 60.4,45.6 60.6,45.8 75.2,45.8 76.4,44.6 80.9,44.6 82.1,45.8 96.9,45.8 97.3,45.4 97.3,43.2 93.9,43.2 93.3,42.6 85.5,42.6 85.1,42.2 85.1,39.9
(no net) on TOP: 17.9,38.8 25.5,38.8 25.8,38.5 25.8,35.4 20.4,35.4 20.2,35.2 20.2,32.3 19.9,32 17.9,32 17.6,32.3 17.6,38.5
(no net) on TOP: 47.3,38.8 54.8,38.8 55.1,38.5 55.1,32.3 54.8,32 52.6,32 52.4,32.2 52.4,35.1 52.2,35.3 47.1,35.3 47.1,38.6
(no net) on TOP: 90,35 94.5,35 94.5,33.3 93.3,33.3 93.1,33.1 93.1,9.5 92.4,8.8 86.9,8.8 86.5,9.2 86.5,11.1 86.8,11.4 89.2,11.4 89.5,11.7 89.5,34.5
(no net) on TOP: 34,31.5 34,25.4 34.3,25.1 40.2,25.1 40.5,25.4 40.5,31.5 40.2,31.8 34.3,31.8
(no net) on TOP: 89.8,38.8 97.3,38.8 97.6,38.5 97.6,32.3 97.3,32 95.1,32 94.9,32.2 94.9,35.1 94.7,35.3 89.6,35.3 89.6,38.6
(no net) on TOP: 66.4,12.4 66.4,15.9 66.8,16.3 67.9,16.3 68.3,16.7 68.3,19.5 67.9,19.9 65,19.9 64.7,19.6 64.7,12.4
(no net) on TOP: 20.7,34.3 25.7,34.3 25.8,34.2 25.8,29.9 25.6,29.7 20.9,29.7 20.7,29.9
(no net) on TOP: 42.3,39.6 30.5,39.6 30.3,39.8 30.3,42.2 29.9,42.6 21.9,42.6 21.3,43.2 17.9,43.2 17.9,45.6 18.1,45.8 32.7,45.8 33.9,44.6 38.4,44.6 39.6,45.8 54.4,45.8 54.8,45.4 54.8,43.2 51.4,43.2 50.8,42.6 43,42.6 42.6,42.2 42.6,39.9
(no net) on BOTTOM: 22.4,32.1 25.6,32.1 25.8,31.9 25.8,17.7 25.5,17.4 22.5,17.4 22.2,17.7 22.2,31.9
(no net) on BOTTOM: 64.9,32.1 68.1,32.1 68.3,31.9 68.3,17.7 68,17.4 65,17.4 64.7,17.7 64.7,31.9
1_CSNA on TOP (solid shape): 25.8,38.5 25.8,35.4 22.42,35.4 22.39,35.41 22.24,35.47 22.07,35.49 21.91,35.47 21.76,35.41 21.73,35.4 21.58,35.4 21.54,35.41 21.5,35.41 20.7,35.41 20.66,35.41 20.62,35.4 20.4,35.4 20.2,35.2 20.2,32.3 19.9,32 17.9,32 17.6,32.3 17.6,38.5 17.9,38.8 25.5,38.8
1_CSNC on TOP (solid shape): 55.1,38.5 55.1,32.3 54.8,32 52.6,32 52.4,32.2 52.4,32.43 52.41,32.45 52.45,32.55 52.46,32.65 52.46,34.95 52.32,35.27 52,35.41 51.2,35.41 51.04,35.38 50.91,35.3 47.1,35.3 47.1,38.6 47.3,38.8 54.8,38.8
1_VOUT on TOP (solid shape): 33.9,44.6 37.08,44.6 37.11,44.55 37.28,44.4 37.5,44.34 38.1,44.34 38.4,44.45 38.55,44.72 38.56,44.76 39.6,45.8 54.4,45.8 54.8,45.4 54.8,43.2 51.4,43.2 50.8,42.6 43,42.6 42.6,42.2 42.6,39.9 42.3,39.6 30.5,39.6 30.3,39.8 30.3,42.2 29.9,42.6 21.9,42.6 21.3,43.2 17.9,43.2 17.9,45.6 18.1,45.8 32.7,45.8
1_VOUT1 on TOP (solid shape): 25.8,19.5 25.8,16.7 25.4,16.3 24.3,16.3 23.9,15.9 23.9,12.4 22.2,12.4 22.2,19.6 22.5,19.9 25.4,19.9
1_VOUT1 on TOP (solid shape): 25.8,34.2 25.8,29.9 25.6,29.7 20.9,29.7 20.7,29.9 20.7,34.14 21.5,34.14 21.59,34.15 21.68,34.18 21.87,34.09 22.07,34.06 22.36,34.13 22.6,34.3 25.7,34.3
1_VOUT1 on BOTTOM (solid shape): 25.8,31.9 25.8,17.7 25.5,17.4 22.5,17.4 22.2,17.7 22.2,31.9 22.4,32.1 25.6,32.1
1_VOUT2 on TOP (solid shape): 51.94,33.46 51.2,33.46 51.03,33.42 50.88,33.33 50.85,33.3 50.8,33.3 50.6,33.1 50.6,9.5 49.9,8.8 44.4,8.8 44,9.2 44,11.1 44.3,11.4 46.7,11.4 47,11.7 47,34.5 47.34,34.84 51.94,34.84
2_CSNA on TOP (solid shape): 68.3,38.5 68.3,35.4 64.92,35.4 64.89,35.41 64.74,35.47 64.58,35.49 64.41,35.47 64.26,35.41 64.23,35.4 64.08,35.4 64.04,35.41 64,35.41 63.2,35.41 63.16,35.41 63.12,35.4 62.9,35.4 62.7,35.2 62.7,32.3 62.4,32 60.4,32 60.1,32.3 60.1,38.5 60.4,38.8 68,38.8
2_CSNC on TOP (solid shape): 97.6,38.5 97.6,32.3 97.3,32 95.1,32 94.9,32.2 94.9,32.43 94.91,32.45 94.95,32.55 94.96,32.65 94.96,34.95 94.82,35.27 94.5,35.41 93.7,35.41 93.54,35.38 93.41,35.3 89.6,35.3 89.6,38.6 89.8,38.8 97.3,38.8
2_VOUT on TOP (solid shape): 76.4,44.6 79.58,44.6 79.61,44.55 79.78,44.4 80,44.34 80.6,44.34 80.9,44.45 81.05,44.72 81.06,44.76 82.1,45.8 96.9,45.8 97.3,45.4 97.3,43.2 93.9,43.2 93.3,42.6 85.5,42.6 85.1,42.2 85.1,39.9 84.8,39.6 73,39.6 72.8,39.8 72.8,42.2 72.4,42.6 64.4,42.6 63.8,43.2 60.4,43.2 60.4,45.6 60.6,45.8 75.2,45.8
2_VOUT1 on TOP (solid shape): 68.3,19.5 68.3,16.7 67.9,16.3 66.8,16.3 66.4,15.9 66.4,12.4 64.7,12.4 64.7,19.6 65,19.9 67.9,19.9
2_VOUT1 on TOP (solid shape): 68.3,34.2 68.3,29.9 68.1,29.7 63.4,29.7 63.2,29.9 63.2,34.14 64,34.14 64.09,34.15 64.18,34.18 64.37,34.09 64.58,34.06 64.86,34.13 65.1,34.3 68.2,34.3
2_VOUT1 on BOTTOM (solid shape): 68.3,31.9 68.3,17.7 68,17.4 65,17.4 64.7,17.7 64.7,31.9 64.9,32.1 68.1,32.1
2_VOUT2 on TOP (solid shape): 94.44,33.46 93.7,33.46 93.53,33.42 93.38,33.33 93.35,33.3 93.3,33.3 93.1,33.1 93.1,9.5 92.4,8.8 86.9,8.8 86.5,9.2 86.5,11.1 86.8,11.4 89.2,11.4 89.5,11.7 89.5,34.5 89.84,34.84 94.44,34.84
N17568309 on TOP (solid shape): 40.5,31.5 40.5,25.4 40.2,25.1 34.3,25.1 34,25.4 34,27.24 34.8,27.24 35.12,27.38 35.26,27.7 35.26,28.05 35.21,28.25 35.08,28.41 35.1,28.5 35.11,28.6 34.9,29.1 34.4,29.31 34.32,29.31 34.25,29.29 34.08,29.33 34,29.49 34,31.5 34.3,31.8 40.2,31.8
N17583777 on TOP (solid shape): 83,31.5 83,25.4 82.7,25.1 76.8,25.1 76.5,25.4 76.5,27.24 77.3,27.24 77.62,27.38 77.76,27.7 77.76,28.05 77.71,28.25 77.58,28.41 77.6,28.5 77.61,28.6 77.4,29.1 76.9,29.31 76.82,29.31 76.75,29.29 76.58,29.33 76.5,29.49 76.5,31.5 76.8,31.8 82.7,31.8

## Text on the board
Ref Des/Silkscreen Bottom: 220708 | XXXLZJXXX | HY_SW3518S_V11
Ref Des/Silkscreen Top: 5-36V
NCLEGEND-1-2: FIGURE | FINISHED_SIZE | 0.254 | 0.3048 | 3.3 | 1.2x0.6 | 1.7x0.6 | 2.0x0.6 | DRILL CHART: TOP to BOTTOM | ALL UNITS ARE IN MILLIMETERS | ROTATION | - | 90.000 | 0.000 | PLATED | QTY | 278 | 18 | 4 | 10 | 318 | TOTAL HOLES:
